# Altium PCB PCB2.PcbDoc (part 1 of 3) (continued)
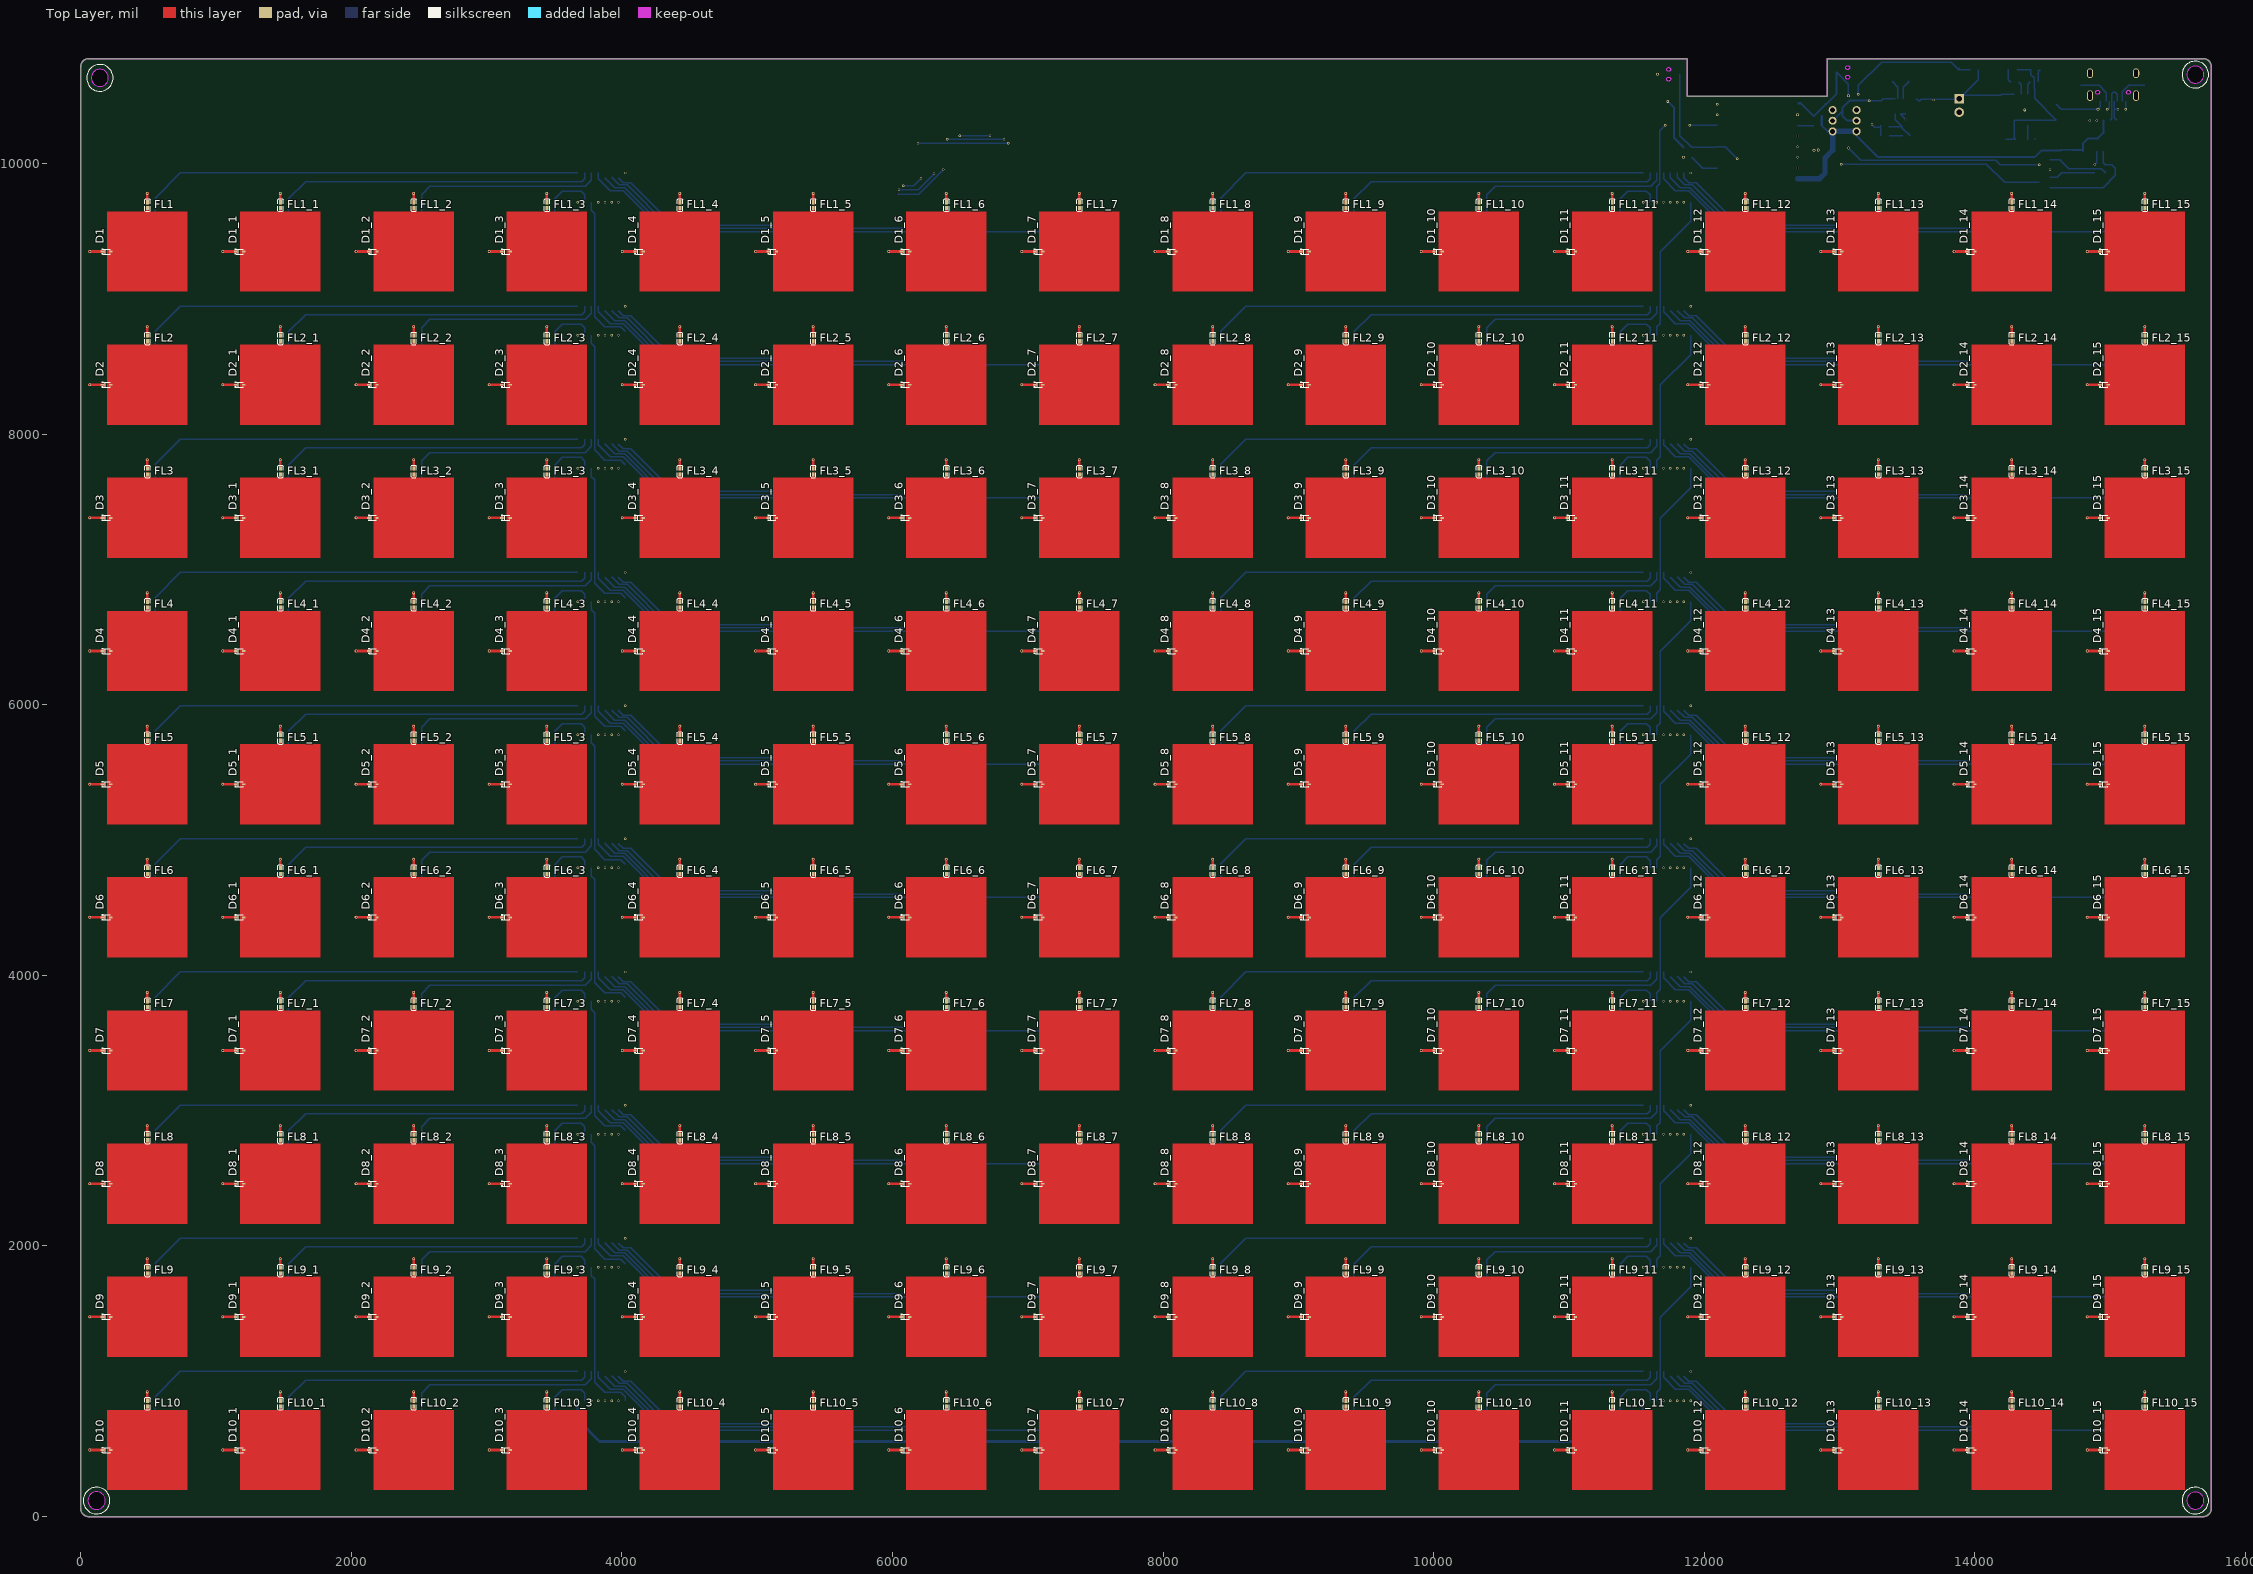
[diagram p0: Top Layer view]
## Components (designator, comment, footprint, x,y, rotation, side; value= is the part's Value field where it differs from the comment) (continued)
D6_12 "Comment" SC-79_L1.2-W0.8-LS1.6-RD 12001.87,4427.58 r0 top locked
D6_13 "Comment" SC-79_L1.2-W0.8-LS1.6-RD 12986.12,4427.58 r0 top locked
D6_14 "Comment" SC-79_L1.2-W0.8-LS1.6-RD 13970.37,4427.58 r0 top locked
D6_15 "Comment" SC-79_L1.2-W0.8-LS1.6-RD 14954.62,4427.58 r0 top locked
D7 "Comment" SC-79_L1.2-W0.8-LS1.6-RD 190.84,3443.33 r0 top locked
D7_1 "Comment" SC-79_L1.2-W0.8-LS1.6-RD 1175.09,3443.33 r0 top locked
D7_2 "Comment" SC-79_L1.2-W0.8-LS1.6-RD 2159.35,3443.33 r0 top locked
D7_3 "Comment" SC-79_L1.2-W0.8-LS1.6-RD 3143.6,3443.33 r0 top locked
D7_4 "Comment" SC-79_L1.2-W0.8-LS1.6-RD 4127.85,3443.33 r0 top locked
D7_5 "Comment" SC-79_L1.2-W0.8-LS1.6-RD 5112.1,3443.33 r0 top locked
D7_6 "Comment" SC-79_L1.2-W0.8-LS1.6-RD 6096.35,3443.33 r0 top locked
D7_7 "Comment" SC-79_L1.2-W0.8-LS1.6-RD 7080.61,3443.33 r0 top locked
D7_8 "Comment" SC-79_L1.2-W0.8-LS1.6-RD 8064.86,3443.33 r0 top locked
D7_9 "Comment" SC-79_L1.2-W0.8-LS1.6-RD 9049.11,3443.33 r0 top locked
D7_10 "Comment" SC-79_L1.2-W0.8-LS1.6-RD 10033.36,3443.33 r0 top locked
D7_11 "Comment" SC-79_L1.2-W0.8-LS1.6-RD 11017.61,3443.33 r0 top locked
D7_12 "Comment" SC-79_L1.2-W0.8-LS1.6-RD 12001.87,3443.33 r0 top locked
D7_13 "Comment" SC-79_L1.2-W0.8-LS1.6-RD 12986.12,3443.33 r0 top locked
D7_14 "Comment" SC-79_L1.2-W0.8-LS1.6-RD 13970.37,3443.33 r0 top locked
D7_15 "Comment" SC-79_L1.2-W0.8-LS1.6-RD 14954.62,3443.33 r0 top locked
D8 "Comment" SC-79_L1.2-W0.8-LS1.6-RD 190.84,2459.08 r0 top locked
D8_1 "Comment" SC-79_L1.2-W0.8-LS1.6-RD 1175.09,2459.08 r0 top locked
D8_2 "Comment" SC-79_L1.2-W0.8-LS1.6-RD 2159.35,2459.08 r0 top locked
D8_3 "Comment" SC-79_L1.2-W0.8-LS1.6-RD 3143.6,2459.08 r0 top locked
D8_4 "Comment" SC-79_L1.2-W0.8-LS1.6-RD 4127.85,2459.08 r0 top locked
D8_5 "Comment" SC-79_L1.2-W0.8-LS1.6-RD 5112.1,2459.08 r0 top locked
D8_6 "Comment" SC-79_L1.2-W0.8-LS1.6-RD 6096.35,2459.08 r0 top locked
D8_7 "Comment" SC-79_L1.2-W0.8-LS1.6-RD 7080.61,2459.08 r0 top locked
D8_8 "Comment" SC-79_L1.2-W0.8-LS1.6-RD 8064.86,2459.08 r0 top locked
D8_9 "Comment" SC-79_L1.2-W0.8-LS1.6-RD 9049.11,2459.08 r0 top locked
D8_10 "Comment" SC-79_L1.2-W0.8-LS1.6-RD 10033.36,2459.08 r0 top locked
D8_11 "Comment" SC-79_L1.2-W0.8-LS1.6-RD 11017.61,2459.08 r0 top locked
D8_12 "Comment" SC-79_L1.2-W0.8-LS1.6-RD 12001.87,2459.08 r0 top locked
D8_13 "Comment" SC-79_L1.2-W0.8-LS1.6-RD 12986.12,2459.08 r0 top locked
D8_14 "Comment" SC-79_L1.2-W0.8-LS1.6-RD 13970.37,2459.08 r0 top locked
D8_15 "Comment" SC-79_L1.2-W0.8-LS1.6-RD 14954.62,2459.08 r0 top locked
D9 "Comment" SC-79_L1.2-W0.8-LS1.6-RD 190.84,1474.83 r0 top locked
D9_1 "Comment" SC-79_L1.2-W0.8-LS1.6-RD 1175.09,1474.83 r0 top locked
D9_2 "Comment" SC-79_L1.2-W0.8-LS1.6-RD 2159.35,1474.83 r0 top locked
D9_3 "Comment" SC-79_L1.2-W0.8-LS1.6-RD 3143.6,1474.83 r0 top locked
D9_4 "Comment" SC-79_L1.2-W0.8-LS1.6-RD 4127.85,1474.83 r0 top locked
D9_5 "Comment" SC-79_L1.2-W0.8-LS1.6-RD 5112.1,1474.83 r0 top locked
D9_6 "Comment" SC-79_L1.2-W0.8-LS1.6-RD 6096.35,1474.83 r0 top locked
D9_7 "Comment" SC-79_L1.2-W0.8-LS1.6-RD 7080.61,1474.83 r0 top locked
D9_8 "Comment" SC-79_L1.2-W0.8-LS1.6-RD 8064.86,1474.83 r0 top locked
D9_9 "Comment" SC-79_L1.2-W0.8-LS1.6-RD 9049.11,1474.83 r0 top locked
D9_10 "Comment" SC-79_L1.2-W0.8-LS1.6-RD 10033.36,1474.83 r0 top locked
D9_11 "Comment" SC-79_L1.2-W0.8-LS1.6-RD 11017.61,1474.83 r0 top locked
D9_12 "Comment" SC-79_L1.2-W0.8-LS1.6-RD 12001.87,1474.83 r0 top locked
D9_13 "Comment" SC-79_L1.2-W0.8-LS1.6-RD 12986.12,1474.83 r0 top locked
D9_14 "Comment" SC-79_L1.2-W0.8-LS1.6-RD 13970.37,1474.83 r0 top locked
D9_15 "Comment" SC-79_L1.2-W0.8-LS1.6-RD 14954.62,1474.83 r0 top locked
D10 "Comment" SC-79_L1.2-W0.8-LS1.6-RD 190.84,490.57 r0 top locked
D10_1 "Comment" SC-79_L1.2-W0.8-LS1.6-RD 1175.09,490.57 r0 top locked
D10_2 "Comment" SC-79_L1.2-W0.8-LS1.6-RD 2159.35,490.57 r0 top locked
D10_3 "Comment" SC-79_L1.2-W0.8-LS1.6-RD 3143.6,490.57 r0 top locked
D10_4 "Comment" SC-79_L1.2-W0.8-LS1.6-RD 4127.85,490.57 r0 top locked
D10_5 "Comment" SC-79_L1.2-W0.8-LS1.6-RD 5112.1,490.57 r0 top locked
D10_6 "Comment" SC-79_L1.2-W0.8-LS1.6-RD 6096.35,490.57 r0 top locked
D10_7 "Comment" SC-79_L1.2-W0.8-LS1.6-RD 7080.61,490.57 r0 top locked
D10_8 "Comment" SC-79_L1.2-W0.8-LS1.6-RD 8064.86,490.57 r0 top locked
D10_9 "Comment" SC-79_L1.2-W0.8-LS1.6-RD 9049.11,490.57 r0 top locked
D10_10 "Comment" SC-79_L1.2-W0.8-LS1.6-RD 10033.36,490.57 r0 top locked
D10_11 "Comment" SC-79_L1.2-W0.8-LS1.6-RD 11017.61,490.57 r0 top locked
D10_12 "Comment" SC-79_L1.2-W0.8-LS1.6-RD 12001.87,490.57 r0 top locked
D10_13 "Comment" SC-79_L1.2-W0.8-LS1.6-RD 12986.12,490.57 r0 top locked
D10_14 "Comment" SC-79_L1.2-W0.8-LS1.6-RD 13970.37,490.57 r0 top locked
D10_15 "Comment" SC-79_L1.2-W0.8-LS1.6-RD 14954.62,490.57 r0 top locked
FL1 "Comment" L0402 492.84,9691.94 r270 top locked
FL1_1 "Comment" L0402 1477.09,9691.94 r270 top locked
FL1_2 "Comment" L0402 2461.35,9691.94 r270 top locked
FL1_3 "Comment" L0402 3445.6,9691.94 r270 top locked
FL1_4 "Comment" L0402 4429.85,9691.94 r270 top locked
FL1_5 "Comment" L0402 5414.1,9691.94 r270 top locked
FL1_6 "Comment" L0402 6398.35,9691.94 r270 top locked
FL1_7 "Comment" L0402 7382.61,9691.94 r270 top locked
FL1_8 "Comment" L0402 8366.86,9691.94 r270 top locked
FL1_9 "Comment" L0402 9351.11,9691.94 r270 top locked
FL1_10 "Comment" L0402 10335.36,9691.94 r270 top locked
FL1_11 "Comment" L0402 11319.61,9691.94 r270 top locked
FL1_12 "Comment" L0402 12303.87,9691.94 r270 top locked
FL1_13 "Comment" L0402 13288.12,9691.94 r270 top locked
FL1_14 "Comment" L0402 14272.37,9691.94 r270 top locked
FL1_15 "Comment" L0402 15256.62,9691.94 r270 top locked
FL2 "Comment" L0402 492.84,8707.69 r270 top locked
FL2_1 "Comment" L0402 1477.09,8707.69 r270 top locked
FL2_2 "Comment" L0402 2461.35,8707.69 r270 top locked
FL2_3 "Comment" L0402 3445.6,8707.69 r270 top locked
FL2_4 "Comment" L0402 4429.85,8707.69 r270 top locked
FL2_5 "Comment" L0402 5414.1,8707.69 r270 top locked
FL2_6 "Comment" L0402 6398.35,8707.69 r270 top locked
FL2_7 "Comment" L0402 7382.61,8707.69 r270 top locked
FL2_8 "Comment" L0402 8366.86,8707.69 r270 top locked
FL2_9 "Comment" L0402 9351.11,8707.69 r270 top locked
FL2_10 "Comment" L0402 10335.36,8707.69 r270 top locked
FL2_11 "Comment" L0402 11319.61,8707.69 r270 top locked
FL2_12 "Comment" L0402 12303.87,8707.69 r270 top locked
FL2_13 "Comment" L0402 13288.12,8707.69 r270 top locked
FL2_14 "Comment" L0402 14272.37,8707.69 r270 top locked
FL2_15 "Comment" L0402 15256.62,8707.69 r270 top locked
FL3 "Comment" L0402 492.84,7723.44 r270 top locked
FL3_1 "Comment" L0402 1477.09,7723.44 r270 top locked
FL3_2 "Comment" L0402 2461.35,7723.44 r270 top locked
FL3_3 "Comment" L0402 3445.6,7723.44 r270 top locked
FL3_4 "Comment" L0402 4429.85,7723.44 r270 top locked
FL3_5 "Comment" L0402 5414.1,7723.44 r270 top locked
FL3_6 "Comment" L0402 6398.35,7723.44 r270 top locked
FL3_7 "Comment" L0402 7382.61,7723.44 r270 top locked
FL3_8 "Comment" L0402 8366.86,7723.44 r270 top locked
FL3_9 "Comment" L0402 9351.11,7723.44 r270 top locked
FL3_10 "Comment" L0402 10335.36,7723.44 r270 top locked
FL3_11 "Comment" L0402 11319.61,7723.44 r270 top locked
FL3_12 "Comment" L0402 12303.87,7723.44 r270 top locked
FL3_13 "Comment" L0402 13288.12,7723.44 r270 top locked
FL3_14 "Comment" L0402 14272.37,7723.44 r270 top locked
FL3_15 "Comment" L0402 15256.62,7723.44 r270 top locked
FL4 "Comment" L0402 492.84,6739.19 r270 top locked
FL4_1 "Comment" L0402 1477.09,6739.19 r270 top locked
FL4_2 "Comment" L0402 2461.35,6739.19 r270 top locked
FL4_3 "Comment" L0402 3445.6,6739.19 r270 top locked
FL4_4 "Comment" L0402 4429.85,6739.19 r270 top locked
FL4_5 "Comment" L0402 5414.1,6739.19 r270 top locked
FL4_6 "Comment" L0402 6398.35,6739.19 r270 top locked
FL4_7 "Comment" L0402 7382.61,6739.19 r270 top locked
FL4_8 "Comment" L0402 8366.86,6739.19 r270 top locked
FL4_9 "Comment" L0402 9351.11,6739.19 r270 top locked
FL4_10 "Comment" L0402 10335.36,6739.19 r270 top locked
FL4_11 "Comment" L0402 11319.61,6739.19 r270 top locked
FL4_12 "Comment" L0402 12303.87,6739.19 r270 top locked
FL4_13 "Comment" L0402 13288.12,6739.19 r270 top locked
FL4_14 "Comment" L0402 14272.37,6739.19 r270 top locked
FL4_15 "Comment" L0402 15256.62,6739.19 r270 top locked
FL5 "Comment" L0402 492.84,5754.93 r270 top locked
FL5_1 "Comment" L0402 1477.09,5754.93 r270 top locked
FL5_2 "Comment" L0402 2461.35,5754.93 r270 top locked
FL5_3 "Comment" L0402 3445.6,5754.93 r270 top locked
FL5_4 "Comment" L0402 4429.85,5754.93 r270 top locked
FL5_5 "Comment" L0402 5414.1,5754.93 r270 top locked
FL5_6 "Comment" L0402 6398.35,5754.93 r270 top locked
FL5_7 "Comment" L0402 7382.61,5754.93 r270 top locked
FL5_8 "Comment" L0402 8366.86,5754.93 r270 top locked
FL5_9 "Comment" L0402 9351.11,5754.93 r270 top locked
FL5_10 "Comment" L0402 10335.36,5754.93 r270 top locked
FL5_11 "Comment" L0402 11319.61,5754.93 r270 top locked
FL5_12 "Comment" L0402 12303.87,5754.93 r270 top locked
FL5_13 "Comment" L0402 13288.12,5754.93 r270 top locked
FL5_14 "Comment" L0402 14272.37,5754.93 r270 top locked
FL5_15 "Comment" L0402 15256.62,5754.93 r270 top locked
FL6 "Comment" L0402 492.84,4770.68 r270 top locked
FL6_1 "Comment" L0402 1477.09,4770.68 r270 top locked
FL6_2 "Comment" L0402 2461.35,4770.68 r270 top locked
FL6_3 "Comment" L0402 3445.6,4770.68 r270 top locked
FL6_4 "Comment" L0402 4429.85,4770.68 r270 top locked
FL6_5 "Comment" L0402 5414.1,4770.68 r270 top locked
FL6_6 "Comment" L0402 6398.35,4770.68 r270 top locked
FL6_7 "Comment" L0402 7382.61,4770.68 r270 top locked
FL6_8 "Comment" L0402 8366.86,4770.68 r270 top locked
FL6_9 "Comment" L0402 9351.11,4770.68 r270 top locked
FL6_10 "Comment" L0402 10335.36,4770.68 r270 top locked
FL6_11 "Comment" L0402 11319.61,4770.68 r270 top locked
FL6_12 "Comment" L0402 12303.87,4770.68 r270 top locked
FL6_13 "Comment" L0402 13288.12,4770.68 r270 top locked
FL6_14 "Comment" L0402 14272.37,4770.68 r270 top locked
FL6_15 "Comment" L0402 15256.62,4770.68 r270 top locked
FL7 "Comment" L0402 492.84,3786.43 r270 top locked
FL7_1 "Comment" L0402 1477.09,3786.43 r270 top locked
FL7_2 "Comment" L0402 2461.35,3786.43 r270 top locked
FL7_3 "Comment" L0402 3445.6,3786.43 r270 top locked
FL7_4 "Comment" L0402 4429.85,3786.43 r270 top locked
FL7_5 "Comment" L0402 5414.1,3786.43 r270 top locked
FL7_6 "Comment" L0402 6398.35,3786.43 r270 top locked
FL7_7 "Comment" L0402 7382.61,3786.43 r270 top locked
FL7_8 "Comment" L0402 8366.86,3786.43 r270 top locked
FL7_9 "Comment" L0402 9351.11,3786.43 r270 top locked
FL7_10 "Comment" L0402 10335.36,3786.43 r270 top locked
FL7_11 "Comment" L0402 11319.61,3786.43 r270 top locked
FL7_12 "Comment" L0402 12303.87,3786.43 r270 top locked
FL7_13 "Comment" L0402 13288.12,3786.43 r270 top locked
FL7_14 "Comment" L0402 14272.37,3786.43 r270 top locked
FL7_15 "Comment" L0402 15256.62,3786.43 r270 top locked
FL8 "Comment" L0402 492.84,2802.18 r270 top locked
FL8_1 "Comment" L0402 1477.09,2802.18 r270 top locked
FL8_2 "Comment" L0402 2461.35,2802.18 r270 top locked
FL8_3 "Comment" L0402 3445.6,2802.18 r270 top locked
FL8_4 "Comment" L0402 4429.85,2802.18 r270 top locked
FL8_5 "Comment" L0402 5414.1,2802.18 r270 top locked
FL8_6 "Comment" L0402 6398.35,2802.18 r270 top locked
FL8_7 "Comment" L0402 7382.61,2802.18 r270 top locked
FL8_8 "Comment" L0402 8366.86,2802.18 r270 top locked
FL8_9 "Comment" L0402 9351.11,2802.18 r270 top locked
FL8_10 "Comment" L0402 10335.36,2802.18 r270 top locked
FL8_11 "Comment" L0402 11319.61,2802.18 r270 top locked
FL8_12 "Comment" L0402 12303.87,2802.18 r270 top locked
FL8_13 "Comment" L0402 13288.12,2802.18 r270 top locked
FL8_14 "Comment" L0402 14272.37,2802.18 r270 top locked
FL8_15 "Comment" L0402 15256.62,2802.18 r270 top locked
FL9 "Comment" L0402 492.84,1817.93 r270 top locked
FL9_1 "Comment" L0402 1477.09,1817.93 r270 top locked
FL9_2 "Comment" L0402 2461.35,1817.93 r270 top locked
FL9_3 "Comment" L0402 3445.6,1817.93 r270 top locked
FL9_4 "Comment" L0402 4429.85,1817.93 r270 top locked
FL9_5 "Comment" L0402 5414.1,1817.93 r270 top locked
FL9_6 "Comment" L0402 6398.35,1817.93 r270 top locked
FL9_7 "Comment" L0402 7382.61,1817.93 r270 top locked
FL9_8 "Comment" L0402 8366.86,1817.93 r270 top locked
FL9_9 "Comment" L0402 9351.11,1817.93 r270 top locked
FL9_10 "Comment" L0402 10335.36,1817.93 r270 top locked
FL9_11 "Comment" L0402 11319.61,1817.93 r270 top locked
FL9_12 "Comment" L0402 12303.87,1817.93 r270 top locked
FL9_13 "Comment" L0402 13288.12,1817.93 r270 top locked
FL9_14 "Comment" L0402 14272.37,1817.93 r270 top locked
FL9_15 "Comment" L0402 15256.62,1817.93 r270 top locked
FL10 "Comment" L0402 492.84,833.67 r270 top locked
FL10_1 "Comment" L0402 1477.09,833.67 r270 top locked
FL10_2 "Comment" L0402 2461.35,833.67 r270 top locked
FL10_3 "Comment" L0402 3445.6,833.67 r270 top locked
FL10_4 "Comment" L0402 4429.85,833.67 r270 top locked
FL10_5 "Comment" L0402 5414.1,833.67 r270 top locked
FL10_6 "Comment" L0402 6398.35,833.67 r270 top locked
FL10_7 "Comment" L0402 7382.61,833.67 r270 top locked
FL10_8 "Comment" L0402 8366.86,833.67 r270 top locked
FL10_9 "Comment" L0402 9351.11,833.67 r270 top locked
FL10_10 "Comment" L0402 10335.36,833.67 r270 top locked
FL10_11 "Comment" L0402 11319.61,833.67 r270 top locked
FL10_12 "Comment" L0402 12303.87,833.67 r270 top locked
FL10_13 "Comment" L0402 13288.12,833.67 r270 top locked
FL10_14 "Comment" L0402 14272.37,833.67 r270 top locked
FL10_15 "Comment" L0402 15256.62,833.67 r270 top locked
H5 "HDR-M_2.54_1x2P" HDR-TH_2P-P2.54-V-M-1 13884.3,10428.3 r270 bottom
L1 "Comment" L0402 492.84,9691.84 r90 bottom locked
L1_1 "Comment" L0402 1477.09,9691.84 r90 bottom locked
L1_2 "Comment" L0402 2461.22,9691.84 r90 bottom locked
L1_3 "Comment" L0402 3445.6,9691.84 r90 bottom locked
L1_4 "Comment" L0402 4429.85,9691.84 r90 bottom locked
L1_5 "Comment" L0402 5414.1,9691.84 r90 bottom locked
L1_6 "Comment" L0402 6398.35,9691.84 r90 bottom locked
L1_7 "Comment" L0402 7382.61,9691.84 r90 bottom locked
L1_8 "Comment" L0402 8366.86,9691.84 r90 bottom locked
L1_9 "Comment" L0402 9351.11,9691.84 r90 bottom locked
L1_10 "Comment" L0402 10335.36,9691.84 r90 bottom locked
L1_11 "Comment" L0402 11319.61,9691.84 r90 bottom locked
L1_12 "Comment" L0402 12303.87,9691.84 r90 bottom locked
L1_13 "Comment" L0402 13288.12,9691.84 r90 bottom locked
L1_14 "Comment" L0402 14272.37,9691.84 r90 bottom locked
L1_15 "Comment" L0402 15256.62,9691.84 r90 bottom locked
L1_16 "3.3uH" IND-SMD_L4.0-W4.0_SMNR4012 13450.9,10606.7 r180 bottom (schematic designator L1)
L2 "Comment" L0402 492.84,8707.59 r90 bottom locked
L2_1 "Comment" L0402 1477.09,8707.59 r90 bottom locked
L2_2 "Comment" L0402 2461.22,8707.59 r90 bottom locked
L2_3 "Comment" L0402 3445.6,8707.59 r90 bottom locked
L2_4 "Comment" L0402 4429.85,8707.59 r90 bottom locked
L2_5 "Comment" L0402 5414.1,8707.59 r90 bottom locked
L2_6 "Comment" L0402 6398.35,8707.59 r90 bottom locked
L2_7 "Comment" L0402 7382.61,8707.59 r90 bottom locked
L2_8 "Comment" L0402 8366.86,8707.59 r90 bottom locked
L2_9 "Comment" L0402 9351.11,8707.59 r90 bottom locked
L2_10 "Comment" L0402 10335.36,8707.59 r90 bottom locked
L2_11 "Comment" L0402 11319.61,8707.59 r90 bottom locked
L2_12 "Comment" L0402 12303.87,8707.59 r90 bottom locked
L2_13 "Comment" L0402 13288.12,8707.59 r90 bottom locked
L2_14 "Comment" L0402 14272.37,8707.59 r90 bottom locked
L2_15 "Comment" L0402 15256.62,8707.59 r90 bottom locked
L3 "Comment" L0402 492.84,7723.34 r90 bottom locked
L3_1 "Comment" L0402 1477.09,7723.34 r90 bottom locked
L3_2 "Comment" L0402 2461.22,7723.34 r90 bottom locked
L3_3 "Comment" L0402 3445.6,7723.34 r90 bottom locked
L3_4 "Comment" L0402 4429.85,7723.34 r90 bottom locked
L3_5 "Comment" L0402 5414.1,7723.34 r90 bottom locked
L3_6 "Comment" L0402 6398.35,7723.34 r90 bottom locked
L3_7 "Comment" L0402 7382.61,7723.34 r90 bottom locked
L3_8 "Comment" L0402 8366.86,7723.34 r90 bottom locked
L3_9 "Comment" L0402 9351.11,7723.34 r90 bottom locked
L3_10 "Comment" L0402 10335.36,7723.34 r90 bottom locked
L3_11 "Comment" L0402 11319.61,7723.34 r90 bottom locked
L3_12 "Comment" L0402 12303.87,7723.34 r90 bottom locked
L3_13 "Comment" L0402 13288.12,7723.34 r90 bottom locked
L3_14 "Comment" L0402 14272.37,7723.34 r90 bottom locked
L3_15 "Comment" L0402 15256.62,7723.34 r90 bottom locked
L4 "Comment" L0402 492.84,6739.09 r90 bottom locked
L4_1 "Comment" L0402 1477.09,6739.09 r90 bottom locked
L4_2 "Comment" L0402 2461.22,6739.09 r90 bottom locked
L4_3 "Comment" L0402 3445.6,6739.09 r90 bottom locked
L4_4 "Comment" L0402 4429.85,6739.09 r90 bottom locked
L4_5 "Comment" L0402 5414.1,6739.09 r90 bottom locked
L4_6 "Comment" L0402 6398.35,6739.09 r90 bottom locked
L4_7 "Comment" L0402 7382.61,6739.09 r90 bottom locked
L4_8 "Comment" L0402 8366.86,6739.09 r90 bottom locked
L4_9 "Comment" L0402 9351.11,6739.09 r90 bottom locked
L4_10 "Comment" L0402 10335.36,6739.09 r90 bottom locked
L4_11 "Comment" L0402 11319.61,6739.09 r90 bottom locked
L4_12 "Comment" L0402 12303.87,6739.09 r90 bottom locked
L4_13 "Comment" L0402 13288.12,6739.09 r90 bottom locked
L4_14 "Comment" L0402 14272.37,6739.09 r90 bottom locked
L4_15 "Comment" L0402 15256.62,6739.09 r90 bottom locked
L5 "Comment" L0402 492.84,5754.83 r90 bottom locked
L5_1 "Comment" L0402 1477.09,5754.83 r90 bottom locked
L5_2 "Comment" L0402 2461.22,5754.83 r90 bottom locked
L5_3 "Comment" L0402 3445.6,5754.83 r90 bottom locked
L5_4 "Comment" L0402 4429.85,5754.83 r90 bottom locked
L5_5 "Comment" L0402 5414.1,5754.83 r90 bottom locked
L5_6 "Comment" L0402 6398.35,5754.83 r90 bottom locked
L5_7 "Comment" L0402 7382.61,5754.83 r90 bottom locked
L5_8 "Comment" L0402 8366.86,5754.83 r90 bottom locked
L5_9 "Comment" L0402 9351.11,5754.83 r90 bottom locked
L5_10 "Comment" L0402 10335.36,5754.83 r90 bottom locked
L5_11 "Comment" L0402 11319.61,5754.83 r90 bottom locked
L5_12 "Comment" L0402 12303.87,5754.83 r90 bottom locked
L5_13 "Comment" L0402 13288.12,5754.83 r90 bottom locked
L5_14 "Comment" L0402 14272.37,5754.83 r90 bottom locked
L5_15 "Comment" L0402 15256.62,5754.83 r90 bottom locked
L6 "Comment" L0402 492.84,4770.58 r90 bottom locked
L6_1 "Comment" L0402 1477.09,4770.58 r90 bottom locked
L6_2 "Comment" L0402 2461.22,4770.58 r90 bottom locked
L6_3 "Comment" L0402 3445.6,4770.58 r90 bottom locked
L6_4 "Comment" L0402 4429.85,4770.58 r90 bottom locked
L6_5 "Comment" L0402 5414.1,4770.58 r90 bottom locked
L6_6 "Comment" L0402 6398.35,4770.58 r90 bottom locked
L6_7 "Comment" L0402 7382.61,4770.58 r90 bottom locked
L6_8 "Comment" L0402 8366.86,4770.58 r90 bottom locked
L6_9 "Comment" L0402 9351.11,4770.58 r90 bottom locked
L6_10 "Comment" L0402 10335.36,4770.58 r90 bottom locked
L6_11 "Comment" L0402 11319.61,4770.58 r90 bottom locked
L6_12 "Comment" L0402 12303.87,4770.58 r90 bottom locked
L6_13 "Comment" L0402 13288.12,4770.58 r90 bottom locked
L6_14 "Comment" L0402 14272.37,4770.58 r90 bottom locked
L6_15 "Comment" L0402 15256.62,4770.58 r90 bottom locked
L7 "Comment" L0402 492.84,3786.33 r90 bottom locked
L7_1 "Comment" L0402 1477.09,3786.33 r90 bottom locked
L7_2 "Comment" L0402 2461.22,3786.33 r90 bottom locked
L7_3 "Comment" L0402 3445.6,3786.33 r90 bottom locked
L7_4 "Comment" L0402 4429.85,3786.33 r90 bottom locked
L7_5 "Comment" L0402 5414.1,3786.33 r90 bottom locked
L7_6 "Comment" L0402 6398.35,3786.33 r90 bottom locked
L7_7 "Comment" L0402 7382.61,3786.33 r90 bottom locked
L7_8 "Comment" L0402 8366.86,3786.33 r90 bottom locked
L7_9 "Comment" L0402 9351.11,3786.33 r90 bottom locked
L7_10 "Comment" L0402 10335.36,3786.33 r90 bottom locked
L7_11 "Comment" L0402 11319.61,3786.33 r90 bottom locked
L7_12 "Comment" L0402 12303.87,3786.33 r90 bottom locked
L7_13 "Comment" L0402 13288.12,3786.33 r90 bottom locked
L7_14 "Comment" L0402 14272.37,3786.33 r90 bottom locked
L7_15 "Comment" L0402 15256.62,3786.33 r90 bottom locked
L8 "Comment" L0402 492.84,2802.08 r90 bottom locked
L8_1 "Comment" L0402 1477.09,2802.08 r90 bottom locked
L8_2 "Comment" L0402 2461.22,2802.08 r90 bottom locked
L8_3 "Comment" L0402 3445.6,2802.08 r90 bottom locked
L8_4 "Comment" L0402 4429.85,2802.08 r90 bottom locked
L8_5 "Comment" L0402 5414.1,2802.08 r90 bottom locked
L8_6 "Comment" L0402 6398.35,2802.08 r90 bottom locked
L8_7 "Comment" L0402 7382.61,2802.08 r90 bottom locked
L8_8 "Comment" L0402 8366.86,2802.08 r90 bottom locked
L8_9 "Comment" L0402 9351.11,2802.08 r90 bottom locked
L8_10 "Comment" L0402 10335.36,2802.08 r90 bottom locked
L8_11 "Comment" L0402 11319.61,2802.08 r90 bottom locked
L8_12 "Comment" L0402 12303.87,2802.08 r90 bottom locked
L8_13 "Comment" L0402 13288.12,2802.08 r90 bottom locked
L8_14 "Comment" L0402 14272.37,2802.08 r90 bottom locked
L8_15 "Comment" L0402 15256.62,2802.08 r90 bottom locked
L9 "Comment" L0402 492.84,1817.83 r90 bottom locked
L9_1 "Comment" L0402 1477.09,1817.83 r90 bottom locked
L9_2 "Comment" L0402 2461.22,1817.83 r90 bottom locked
L9_3 "Comment" L0402 3445.6,1817.83 r90 bottom locked
L9_4 "Comment" L0402 4429.85,1817.83 r90 bottom locked
L9_5 "Comment" L0402 5414.1,1817.83 r90 bottom locked
L9_6 "Comment" L0402 6398.35,1817.83 r90 bottom locked
L9_7 "Comment" L0402 7382.61,1817.83 r90 bottom locked
L9_8 "Comment" L0402 8366.86,1817.83 r90 bottom locked
L9_9 "Comment" L0402 9351.11,1817.83 r90 bottom locked
L9_10 "Comment" L0402 10335.36,1817.83 r90 bottom locked
L9_11 "Comment" L0402 11319.61,1817.83 r90 bottom locked
L9_12 "Comment" L0402 12303.87,1817.83 r90 bottom locked
L9_13 "Comment" L0402 13288.12,1817.83 r90 bottom locked
L9_14 "Comment" L0402 14272.37,1817.83 r90 bottom locked
L9_15 "Comment" L0402 15256.62,1817.83 r90 bottom locked
L10 "Comment" L0402 492.84,833.57 r90 bottom locked
L10_1 "Comment" L0402 1477.09,833.57 r90 bottom locked
L10_2 "Comment" L0402 2461.22,833.57 r90 bottom locked
L10_3 "Comment" L0402 3445.6,833.57 r90 bottom locked
L10_4 "Comment" L0402 4429.85,833.57 r90 bottom locked
L10_5 "Comment" L0402 5414.1,833.57 r90 bottom locked
L10_6 "Comment" L0402 6398.35,833.57 r90 bottom locked
L10_7 "Comment" L0402 7382.61,833.57 r90 bottom locked
L10_8 "Comment" L0402 8366.86,833.57 r90 bottom locked
L10_9 "Comment" L0402 9351.11,833.57 r90 bottom locked
L10_10 "Comment" L0402 10335.36,833.57 r90 bottom locked
L10_11 "Comment" L0402 11319.61,833.57 r90 bottom locked
L10_12 "Comment" L0402 12303.87,833.57 r90 bottom locked
L10_13 "Comment" L0402 13288.12,833.57 r90 bottom locked
L10_14 "Comment" L0402 14272.37,833.57 r90 bottom locked
L10_15 "Comment" L0402 15256.62,833.57 r90 bottom locked
LED1 "19-217/GHC-YR1S2/3T" LED0603-R-RD 14448.5,10693 r180 bottom
LED2 "19-217/GHC-YR1S2/3T" LED0603-R-RD 14280.8,10694.5 r0 bottom
Q1 "S8050" SOT-23-3_L2.9-W1.3-P1.90-LS2.4-BR 14516,9989.5 r0 bottom
Q2 "S8050" SOT-23-3_L2.9-W1.3-P1.90-LS2.4-BR 14515.3,9859.5 r0 bottom
R1 "820k" R0603 13334.72,10269.62 r180 bottom
R2 "750k" R0603 13335.72,10203.32 r180 bottom
R3 "143k" R0603 13494.72,10269.62 r180 bottom
R4 "AC1206FR-7W10KL" R1206 14603.3,10377.7 r270 bottom
R5 "TR0402D10K0Q1025Z" R0603 14439.6,10602 r0 bottom
R6 "TR0402D10K0Q1025Z" R0603 14293.3,10601.2 r180 bottom
R7 "TR0402D10K0Q1025Z" R0603 14418.1,10177.5 r180 bottom
R8 "CR0603FA4R30G" R0603 14965.9,9960.9 r270 bottom
R9 "RC0402FR-075K1L" R0402 15257.1,10593.8 r270 bottom
R10 "RC0402FR-075K1L" R0402 14783.7,10593.8 r90 bottom
R11 "10K" R0603 12838.8,10349.7 r180 bottom
R12 "10K" R0603 12839.4,10279.3 r180 bottom
R13 "10K" R0603 11876.3,10046.4 r0 bottom
R14 "10K" R0603 11876.6,10117.9 r0 bottom
R15 "230K" R0603 13995.8,10691.7 r180 bottom
R16 "100K" R0603 13852.7,10693.5 r180 bottom
R17 "CR0603FA4R30G" R0603 14887.5,9962.3 r270 bottom
SW1 "TS-KG88C-ACT25F" KEY-SMD_L4.0-W2.9-LS4.8 11736.6,10659.1 r180 bottom
SW2 "TS-KG88C-ACT25F" KEY-SMD_L4.0-W2.9-LS4.8 13059.8,10672.8 r0 bottom
SW4 "PS-5850A-6PL" SW-TH_6P-L5.8-W5.8-P2.00-LS4.5-BL 13037.42,10315.7 r270 bottom
U2 "TP4056" ESOP-8_L4.9-W3.9-P1.27-LS6.0-BL-EP 14367.7,10395.4 r180 bottom
U4 "CH340C" SOP-16_L10.0-W3.9-P1.27-LS6.0-BL 14975,10204.5 r0 bottom
U5 "ESP-12F(ESP8266MOD)" WIFIM-SMD_ESP-12F-ESP8266MOD 12392.1,10137.6 r270 bottom
U6 "74HC595D" SOIC-16_L9.9-W3.9-P1.27-LS6.0-BL 11724,9822 r0 bottom
U6_1 "74HC595D" SOIC-16_L9.9-W3.9-P1.27-LS6.0-BL 11724,8837.75 r0 bottom (schematic designator U6)
U6_2 "74HC595D" SOIC-16_L9.9-W3.9-P1.27-LS6.0-BL 11724,7853.5 r0 bottom (schematic designator U6)
U6_3 "74HC595D" SOIC-16_L9.9-W3.9-P1.27-LS6.0-BL 11724,6869.24 r0 bottom (schematic designator U6)
U6_4 "74HC595D" SOIC-16_L9.9-W3.9-P1.27-LS6.0-BL 11724,5884.99 r0 bottom (schematic designator U6)
U6_5 "74HC595D" SOIC-16_L9.9-W3.9-P1.27-LS6.0-BL 11724,4900.74 r0 bottom (schematic designator U6)
U6_6 "74HC595D" SOIC-16_L9.9-W3.9-P1.27-LS6.0-BL 11724,3916.49 r0 bottom (schematic designator U6)
U6_7 "74HC595D" SOIC-16_L9.9-W3.9-P1.27-LS6.0-BL 11724,2932.24 r0 bottom (schematic designator U6)
U6_8 "74HC595D" SOIC-16_L9.9-W3.9-P1.27-LS6.0-BL 11724,1947.98 r0 bottom (schematic designator U6)
U6_9 "74HC595D" SOIC-16_L9.9-W3.9-P1.27-LS6.0-BL 11724,963.73 r0 bottom (schematic designator U6)
U6_10 "74HC595D" SOIC-16_L9.9-W3.9-P1.27-LS6.0-BL 3849.98,9822 r0 bottom (schematic designator U6)
U6_11 "74HC595D" SOIC-16_L9.9-W3.9-P1.27-LS6.0-BL 3849.98,8837.75 r0 bottom (schematic designator U6)
U6_12 "74HC595D" SOIC-16_L9.9-W3.9-P1.27-LS6.0-BL 3849.98,7853.5 r0 bottom (schematic designator U6)
U6_13 "74HC595D" SOIC-16_L9.9-W3.9-P1.27-LS6.0-BL 3849.98,6869.24 r0 bottom (schematic designator U6)
U6_14 "74HC595D" SOIC-16_L9.9-W3.9-P1.27-LS6.0-BL 3849.98,5884.99 r0 bottom (schematic designator U6)
U6_15 "74HC595D" SOIC-16_L9.9-W3.9-P1.27-LS6.0-BL 3849.98,4900.74 r0 bottom (schematic designator U6)
U6_16 "74HC595D" SOIC-16_L9.9-W3.9-P1.27-LS6.0-BL 3849.98,3916.49 r0 bottom (schematic designator U6)
U6_17 "74HC595D" SOIC-16_L9.9-W3.9-P1.27-LS6.0-BL 3849.98,2932.24 r0 bottom (schematic designator U6)
U6_18 "74HC595D" SOIC-16_L9.9-W3.9-P1.27-LS6.0-BL 3849.98,1947.98 r0 bottom (schematic designator U6)
U6_19 "74HC595D" SOIC-16_L9.9-W3.9-P1.27-LS6.0-BL 3849.98,963.73 r0 bottom (schematic designator U6)
U25 "MP2155" QFN10 13450.5,10421.79 r270 bottom
USBC1 "918-418K2023S40001" USB-C-SMD_TYPE-C-USB-17 15021.5,10562.9 r0 bottom

## Footprints (in the part's own frame and the unit in brackets; to place one, negate y for a bottom-side part, rotate by r counter-clockwise, add the part's x,y. Pads: shape width x height; smd on the part's side, far side on the other; paste and mask are expansions set on the pad)
C0603#1 [mm]
  rect 0.8x0.9 smd mask+0.051: 1(-0.7,0) 2(0.7,0)
  silkscreen extent -1.41,-0.71 1.39,0.72
C0603#2 [mm]
  rect 0.8x1.001 smd mask+0.051: 1(-0.8,0) 2(0.8,0)
  silkscreen extent -1.41,-0.71 1.39,0.72
C0805 [mm]
  rect 1.41x1.35 smd mask+0.051: 1(-1.03,0) 2(1.03,0)
  silkscreen extent -1.96,-0.9 1.96,0.9
ESOP-8_L4.9-W3.9-P1.27-LS6.0-BL-EP [mil]
  rect 23.6x47.2 smd mask+2: 1(-75,-114.5) 2(-25,-114.5) 3(25,-114.5) 4(75,-114.5) 5(75,114.5) 6(25,114.5) 7(-25,114.5) 8(-75,114.5)
  rect 137.8x98.4 smd mask+2: 9(0,0)
  silkscreen extent -126,-105 100,81
HDR-TH_2P-P2.54-V-M-1 [mm]
  rect 1.8x1.8 hole 1 mask+0.051: 1(-1.27,0)
  round 1.8 hole 1 mask+0.051: 2(1.27,0)
  silkscreen extent -2.54,-1.27 2.54,1.27
IND-SMD_L4.0-W4.0_SMNR4012 [mil]
  rect 51.2x145.7 smd mask+2: 1(-63,0) 2(63,0)
  silkscreen extent -82,-82 84,83
KEY-SMD_L4.0-W2.9-LS4.8 [mm]
  rect 1.35x1.8 smd mask+0.051: 1(-2.08,0) 2(2.08,0)
  Keep-Out Layer board cut-out: -0.375,0.9 -0.338,0.737 -0.234,0.607 -0.084,0.534 0.083,0.534 0.234,0.607 0.338,0.737 0.375,0.9 0.375,0.9 0.338,1.063 0.234,1.193 0.083,1.266 -0.084,1.266 -0.234,1.193 -0.338,1.063 -0.375,0.9 -0.375,0.9
  Keep-Out Layer board cut-out: -0.375,-0.9 -0.338,-1.063 -0.234,-1.193 -0.084,-1.266 0.083,-1.266 0.234,-1.193 0.338,-1.063 0.375,-0.9 0.375,-0.9 0.338,-0.737 0.234,-0.607 0.083,-0.534 -0.084,-0.534 -0.234,-0.607 -0.338,-0.737 -0.375,-0.9 -0.375,-0.9
  silkscreen extent -2,-1.45 2,1.45
L0402 [mm]
  rect 0.79x0.54 smd: 1(-0.545,0) 2(0.545,0)
  silkscreen extent -1.17,-0.5 1.17,0.5
LED0603-R-RD [mm]
  rect 0.8x0.8 smd mask+0.051: 1(0.851,0) 2(-0.851,0)
  silkscreen extent -1.82,-0.86 1.77,0.86